# Altium PCB Fumsat Sanjeshi PCB.PcbDoc (part 1 of 2) (continued)
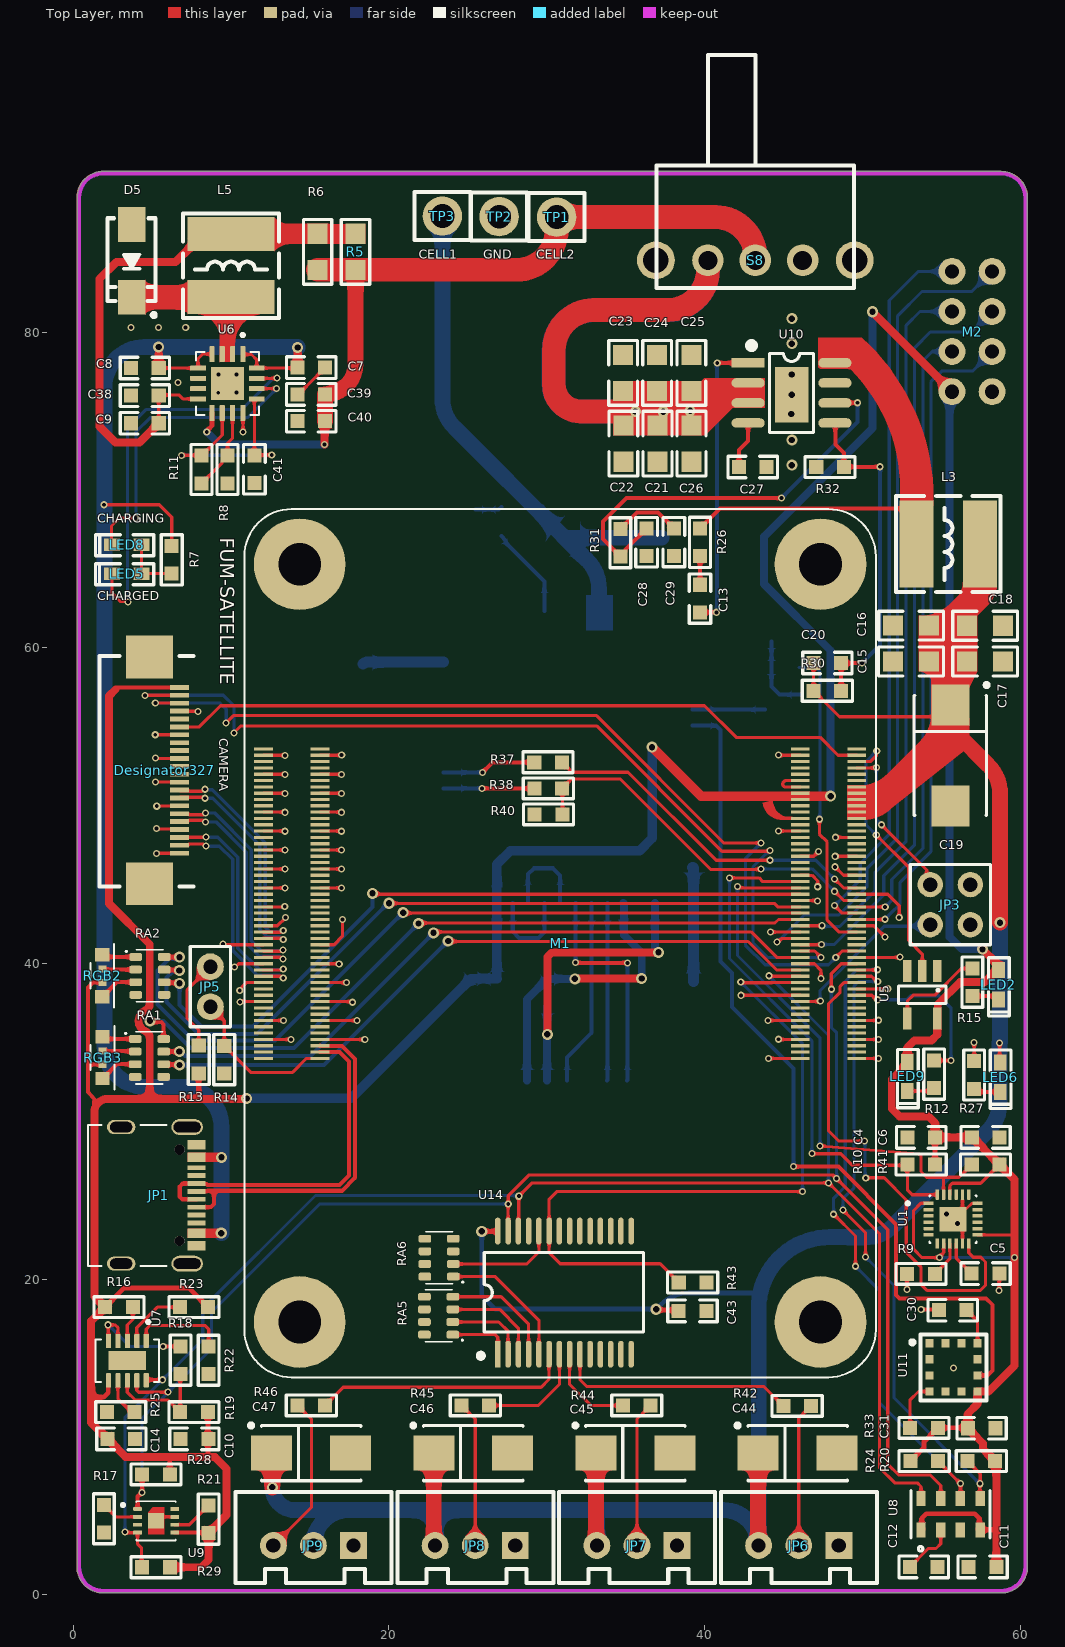
[diagram p0: Top Layer view]
## Footprints (in the part's own frame and the unit in brackets; to place one, negate y for a bottom-side part, rotate by r counter-clockwise, add the part's x,y. Pads: shape width x height; smd on the part's side, far side on the other; paste and mask are expansions set on the pad) (continued)
  round 5.8 hole 2.7: S1(-23.975,16.271) S2(24.025,16.271) S3(-23.975,-16.729) S4(24.025,-16.729)
  silkscreen extent -27.47,-20.23 27.53,19.77, body extent -27.46,-20.19 27.54,19.81, height 5.65
E01-ML01DP5 [mm]
  round 1.7 hole 0.9: 1(13.995,6.299) 2(13.995,8.839) 3(13.995,11.379) 4(13.995,13.919) 5(11.455,13.919) 6(11.455,11.379) 7(11.455,8.839) 8(11.455,6.299)
  body extent -27.58,1.02 15.47,19.07, height 12.65
FFC_0.5_22 [mm]
  rect 0.3x1.2 smd: 1(-4.996,1.773) 2(-4.496,1.773) 3(-3.996,1.773) 4(-3.496,1.773) 5(-2.996,1.773) 6(-2.496,1.773) 7(-1.996,1.773) 8(-1.496,1.773) 9(-0.996,1.773) 10(-0.496,1.773) 11(0.004,1.773) 12(0.504,1.773) 13(1.004,1.773) 14(1.504,1.773) 15(2.004,1.773) 16(2.504,1.773) 17(3.004,1.773) 18(3.504,1.773) 19(4.004,1.773) 20(4.504,1.773) 21(5.004,1.773) 22(5.504,1.773)
  rect 2.7x3 smd: Z1(-6.926,-0.127) Z2(7.434,-0.127)
  silkscreen extent -6.98,-3.3 7.62,2.67, body extent -8.45,-3.18 8.95,1.92, height 2.1
HDR-1X2 [mm] "ï¿½ï¿½ï¿½ë£¬2ï¿½ï¿½"
  round 1.7 hole 0.9: 1(0,0) 2(2.54,0)
  silkscreen extent -1.27,-1.27 3.81,1.27, body extent -1.27,-1.27 3.81,1.27, height 8.5
HDR-2X2 [mm] "Ë«ï¿½ï¿½ï¿½ï¿½ï¿½ë£¬2x2ï¿½ï¿½"
  round 1.6 hole 0.9: 1(0,0) 2(0,2.54) 3(2.54,0) 4(2.54,2.54)
  silkscreen extent -1.27,-1.27 3.81,3.81, body extent -1.27,-1.27 3.81,3.81, height 8.5
"LED 0603B" [mil] "ï¿½ï¿½É«0603LED"
  rect 40x31.5 smd: 1(-36.5,0) 2(36.5,0)
  silkscreen extent -67,-25 78,27, body extent -31,-16 32,16, height 24
"LED 0603R" [mm] "ï¿½ï¿½É«0603LED"
  rect 1.016x0.8 smd: 1(-0.927,0) 2(0.927,0)
  silkscreen extent -1.71,-0.63 1.98,0.69, body extent -0.8,-0.4 0.8,0.4, height 0.61
"LED 0603Y" [mm] "ï¿½ï¿½É«0603LED"
  rect 1.016x0.8 smd: 1(-0.927,0) 2(0.927,0)
  silkscreen extent -1.71,-0.63 1.98,0.69, body extent -0.8,-0.41 0.8,0.4, height 0.61
ML8511 [mm]
  rect 0.525x0.525 smd: 1(1.448,-1.511) 2(1.448,-0.495) 3(1.448,0.521) 4(1.448,1.537) 5(0.432,1.537) 6(-0.584,1.537) 7(-1.6,1.537) 8(-1.6,0.521) 9(-1.6,-0.495) 10(-1.6,-1.511) 11(-0.584,-1.511) 12(0.432,-1.511)
  silkscreen extent -2.17,-2.08 2.65,2.11
MPL3115 [mm]
  rect 0.95x0.6 smd: 1(-1.013,1.837) 2(-1.013,0.587) 3(-1.013,-0.663) 4(-1.013,-1.913) 5(0.987,-1.913) 6(0.987,-0.663) 7(0.987,0.587) 8(0.987,1.837)
  silkscreen extent -2.35,-2.54 1.49,2.46, body extent -1.51,-2.53 1.49,2.47, height 1.2
QFN16 [mm]
  rrect25% 1.01x0.32 smd: 1(-1.809,1.077) 2(-1.809,0.427) 3(-1.809,-0.223) 4(-1.809,-0.873) 9(1.911,-0.873) 10(1.911,-0.223) 11(1.911,0.427) 12(1.911,1.077)
  rrect25% 0.32x1.01 smd: 5(-0.924,-1.758) 6(-0.274,-1.758) 7(0.376,-1.758) 8(1.026,-1.758) 13(1.026,1.962) 14(0.376,1.962) 15(-0.274,1.962) 16(-0.924,1.962)
  rect 2.1x2.1 smd paste-0.39: 17(0.051,0.102)
  silkscreen extent -3.12,-1.9 2.05,2.1, body extent -1.95,-1.9 2.05,2.1, height 0.9
QFN40-25N [mm]
  rrect25% 0.64x0.22 smd: 1(-1.342,0.289) 2(-1.342,-0.111) 3(-1.342,-0.511) 4(-1.342,-0.911) 5(-1.342,-1.311) 6(-1.342,-1.711) 13(1.748,-1.711) 14(1.748,-1.311) 15(1.748,-0.911) 16(1.748,-0.511) 17(1.748,-0.111) 18(1.748,0.289)
  rrect25% 0.22x0.64 smd: 7(-0.797,-2.256) 8(-0.397,-2.256) 9(0.003,-2.256) 10(0.403,-2.256) 11(0.803,-2.256) 12(1.203,-2.256) 19(1.203,0.834) 20(0.803,0.834) 21(0.403,0.834) 22(0.003,0.834) 23(-0.397,0.834) 24(-0.797,0.834)
  rect 1.7x1.54 smd paste-2: 25(0.203,-0.711)
  silkscreen extent -2.76,-2.21 1.7,0.79, body extent -1.3,-2.21 1.7,0.79, height 1
"Quectel MC60" [mm]
  oval 2.5x0.7 smd paste-2: 1(-7.875,7) 2(-7.875,6) 3(-7.875,5) 4(-7.875,4) 5(-7.875,3) 6(-7.875,2) 7(-7.875,1) 8(-7.875,0) 9(-7.875,-1) 10(-7.875,-2) 11(-7.875,-3) 12(-7.875,-4) 13(-7.875,-5) 14(-7.875,-6) 15(-7.875,-7) 28(7.925,-7) 29(7.925,-6) 30(7.925,-5) 31(7.925,-4) 32(7.925,-3) 33(7.925,-2) 34(7.925,-1) 35(7.925,0) 36(7.925,1) 37(7.925,2) 38(7.925,3) 39(7.925,4) 40(7.925,5) 41(7.925,6) 42(7.925,7)
  oval 0.7x2.5 smd paste-2: 16(-5.475,-9.25) 17(-4.475,-9.25) 18(-3.475,-9.25) 19(-2.475,-9.25) 20(-1.475,-9.25) 21(-0.475,-9.25) 22(0.525,-9.25) 23(1.525,-9.25) 24(2.525,-9.25) 25(3.525,-9.25) 26(4.525,-9.25) 27(5.525,-9.25) 43(5.525,9.25) 44(4.525,9.25) 45(3.525,9.25) 46(2.525,9.25) 47(1.525,9.25) 48(0.525,9.25) 49(-0.475,9.25) 50(-1.475,9.25) 51(-2.475,9.25) 52(-3.475,9.25) 53(-4.475,9.25) 54(-5.475,9.25)
  rect 1.1x1.1 smd paste-0.09: 55(-3.575,2.7) 56(-3.575,0.9) 57(-3.575,-0.9) 58(-3.575,-2.7) 59(-1.775,-4.5) 60(0.025,-4.5) 61(1.825,-4.5) 62(3.625,-2.7) 63(3.625,-0.9) 64(3.625,0.9) 65(3.625,2.7) 66(1.825,4.5) 67(0.025,4.5) 68(-1.775,4.5)
  silkscreen extent -9.82,-9.42 8.1,9.43, body extent -7.98,-9.43 8.02,9.27, height 2.2
"R 0603" [mil] "1/10Wï¿½ï¿½Æ¬ï¿½ï¿½ï¿½ï¿½"
  rect 35x35 smd: 1(-35,0) 2(34,0)
  silkscreen extent -63,-26 62,26, body extent -31,-16 32,16, height 16
"R 0805" [mm] "1/8Wï¿½ï¿½Æ¬ï¿½ï¿½ï¿½ï¿½"
  rect 1.27x1.27 smd: 1(-1.143,0) 2(1.143,0)
  silkscreen extent -2.05,-0.9 2.05,0.9, body extent -1,-0.62 1,0.63, height 0.5
"RA1206 (4x0603)" [mm]
  rrect50% 0.8x0.5 smd: 1(-0.9,1.2) 2(-0.9,0.4) 3(-0.9,-0.4) 4(-0.9,-1.2) 5(0.9,-1.2) 6(0.9,-0.4) 7(0.9,0.4) 8(0.9,1.2)
  silkscreen extent -1.55,-1.65 0.85,1.65, body extent -0.8,-1.6 0.8,1.6, height 0.5
RGB-SIDE-020-1 [mm]
  rect 0.85x0.9 smd: 1(-1.325,-0.025) 4(1.325,-0.025)
  rect 0.45x0.5 smd: 2(-0.425,-0.025) 3(0.425,-0.025)
  silkscreen extent -2,-0.78 2.03,0.72
SHT35 [mm]
  rrect50% 0.55x0.25 smd mask+0: 1(-1.178,0.743)
  rrect20% 0.55x0.25 smd mask+0: 2(-1.178,0.243) 3(-1.178,-0.257) 4(-1.178,-0.757) 5(1.172,-0.757) 6(1.172,-0.257) 7(1.172,0.243) 8(1.172,0.743)
  rect 1x1 smd paste-1 mask+0: 9(-0.003,-0.007)
  Top Layer region: 0.497,-0.857 -0.503,-0.857 -0.503,0.543 -0.203,0.843 0.497,0.843
  silkscreen extent -2.2,-1.26 1.25,1.24, body extent -1.25,-1.26 1.25,1.24, height 0.9
SIMcard_6pin_1 [mm]
  rect 1.56x2.61 smd: 1(-8.289,5.391) 2(-8.289,-7.239) 3(8.391,-7.239) 4(8.391,5.391)
  rect 0.9x1.35 smd: C1(2.806,8.266) C2(0.266,8.266) C3(-2.274,8.266) C5(1.536,8.266) C6(-1.004,8.266) C7(-3.544,8.266) CD(-7.354,8.266)
  silkscreen extent -7.82,-8.84 7.93,8.33, body extent -8.32,-8.87 8.43,8.46, height 1.5
SMA [mm] "4.5x2.6*2.2mm£¨³¤¿í¸ß£¬²»°üÀ¨Òý½Å£©"
  rect 2.2x1.75 smd: 1(-2.3,0) 2(2.3,0)
  silkscreen extent -2.7,-1.52 3.56,1.52, body extent -2.53,-1.3 2.58,1.3, height 2.15
SOP8_M-EP [mm] "5*6*1.8mm£¨³¤¿í¸ß£©"
  rect 2.1x0.6 smd: 1(-2.75,1.905)
  oval 2.1x0.6 smd: 2(-2.75,0.635) 3(-2.75,-0.635) 4(-2.75,-1.905) 5(2.75,-1.905) 6(2.75,-0.635) 7(2.75,0.635) 8(2.75,1.905)
  rect 2.1x3.5 smd: 9(0.01,-0.113)
  silkscreen extent -2.69,-2.5 1.4,3.15, body extent -3,-2.5 3,2.5, height 1.9
SOT23-3N [mm] "3x1.3x1mm(ï¿½ï¿½ï¿½ï¿½ï¿½)"
  rect 0.5x1.2 smd: 1(-0.95,-1.143) 2(0.95,-1.143) 3(0,1.143)
  silkscreen extent -1.5,-0.2 1.5,0.7, body extent -1.5,-1.2 1.5,1.2, height 1.05
SOT23-5M [mm] "3x1.6x1.1mm(ï¿½ï¿½ï¿½ï¿½ï¿½)"
  rect 0.55x1.4 smd: 1(-0.95,-1.5) 2(0,-1.5) 3(0.95,-1.5) 4(0.95,1.5) 5(-0.95,1.5)
  silkscreen extent -1.5,-0.56 1.5,0.56, body extent -1.5,-1.4 1.5,1.4, height 1.15
SS-12F23 [mm] "ï¿½Å¾ï¿½3mm"
  round 2.4 hole 1.6: 0(0,6.3) 0(0,-6.3)
  round 2 hole 1.2: 1(0,3) 2(0,0) 3(0,-3)
  silkscreen extent -1.75,-6.25 13,6.25, body extent -0.61,-6.52 12.29,6.48, height 5.75
SSOP28_N [mm] "10.2*7.8*1.9mm(³¤¿í¸ß£©"
  rect 1.7x0.35 smd: 1(-3.9,4.225)
  oval 1.7x0.35 smd: 2(-3.9,3.575) 3(-3.9,2.925) 4(-3.9,2.275) 5(-3.9,1.625) 6(-3.9,0.975) 7(-3.9,0.325) 8(-3.9,-0.325) 9(-3.9,-0.975) 10(-3.9,-1.625) 11(-3.9,-2.275) 12(-3.9,-2.925) 13(-3.9,-3.575) 14(-3.9,-4.225) 15(3.9,-4.225) 16(3.9,-3.575) 17(3.9,-2.925) 18(3.9,-2.275) 19(3.9,-1.625) 20(3.9,-0.975) 21(3.9,-0.325) 22(3.9,0.325) 23(3.9,0.975) 24(3.9,1.625) 25(3.9,2.275) 26(3.9,2.925) 27(3.9,3.575) 28(3.9,4.225)
  silkscreen extent -4.13,-5 2.54,5.43, body extent -3.85,-5.1 3.85,5.1, height 1.65
TEST_POINT_40MIL_R [mm]
  round 2.5 hole 1.5: 1(0,0)
  silkscreen extent -1.78,-1.52 1.78,1.52, body extent -1.67,-1.4 1.67,1.4, height 5.41
"u.Fl 3P" [mm]
  rect 1.05x2.2 smd: G(-1.475,0) G(1.475,0)
  rect 1x1.05 smd: S(0,-1.525)
  silkscreen extent -1.3,-1.3 1.3,1.3, body extent -1.5,-1.55 1.5,1.55, height 1.23
USB-C-RIGHT [mm]
  rect 0.3x1.14 smd: A1(-3.096,3.937) A4(-2.296,3.937) A5(-0.996,3.937) A6(0.004,3.937) A7(0.504,3.937) A8(1.504,3.937) A9(2.804,3.937) A12(3.604,3.937) B1(3.304,3.937) B4(2.504,3.937) B5(2.004,3.937) B6(1.004,3.937) B7(-0.496,3.937) B8(-1.496,3.937) B9(-1.996,3.937) B12(-2.796,3.937)
  oval 1x2 hole 0.65 slot 1.72 at 90 deg: S1(-4.071,3.347) S2(4.579,3.347)
  oval 0.9x1.8 hole 0.65 slot 1.4 at 90 deg: S3(-4.071,-0.833) S4(4.579,-0.833)
  round 0.65 hole 0.65 unplated: ""(-2.636,2.867) ""(3.144,2.867)
  silkscreen extent -4.22,-2.92 4.72,2.03, body extent -4.22,-3.36 4.72,4.39, height 3.26
XH2.54-3P [mm] "½Ó²å¼þ£¬3P"
  rect 1.7x1.7 hole 0.9: 1(0,0)
  round 1.7 hole 0.9: 2(2.54,0) 3(5.08,0)
  silkscreen extent -2.41,-3.38 7.47,2.39, body extent -2.5,-3.3 7.58,2.4, height 7.03

## Part data
C4 C5 C6 C7 C8 C9 C10 C11 C12 C13 C14 C15 C16 C17 C18 C20 C21 C22 C23 C24 C25 C26 C27 C28 C29 C30 C31 C33 C34 C35 C36 C37 C38 C39 C40 C41 C42 C43: library part C, "Non-polar patch capacitor", BOM名称=无极性贴片电容, 学习资源=www.ooocke.com, 版权归属=源创客
C19 C32 C44 C45 C46 C47: library part C-CD, "Solid Tantalum Chip Capacitor, Standard T491 Series - Industrial Grade", PackageDocument=Mar-2001, Code_JEITA=3528-21, ComponentLink1Description="Manufacturer Link", ComponentLink1URL=http://www.kemet.com/, ComponentLink2Description=Datasheet, ComponentLink2URL=http://www.kemet.com/kemet/web/homepage/kechome.nsf/vapubfilesname/F3102TA.pdf/$file/F3102TA.pdf, DatasheetDocument=Mar-2001, LatestRevisionDate=19-Mar-2004, LatestRevisionNote="Silkscreen dimensions re-sized.", PackageReference=B, Published=17-Jul-2002, Publisher="Altium Limited"
D5: "Rectifier diode", BOM名称=整流二极管, 学习资源=www.ooocke.com, 版权归属=源创客
JP1: library part USB-C-RIGHT
JP3: library part "Header 2X2", "2*2P Connector", BOM名称=2*2P接插件, 学习资源=www.ooocke.com, 版权归属=源创客
JP5: library part "Header 2", "2P Connector", BOM名称=2P接插件, 学习资源=www.ooocke.com, 版权归属=源创客
JP6 JP7 JP8 JP9: library part "Header 3", "3P Connector", BOM名称=3P接插件, 学习资源=www.ooocke.com, 版权归属=源创客
L3 L5: library part L-CD, "Chip power inductor", BOM名称=功率电感, 学习资源=www.ooocke.com, 版权归属=源创客
LED2 LED5 LED6 LED7 LED8 LED9: "Patch LED", BOM名称=贴片LED, 学习资源=www.ooocke.com, 版权归属=源创客
M1: library part CM4
R5 R6 R7 R8 R9 R10 R11 R12 R13 R14 R15 R16 R17 R18 R19 R20 R21 R22 R23 R24 R25 R26 R27 R28 R29 R30 R31 R32 R33 R34 R36 R37 R38 R39 R40 R41 R42 R43 R44 R45 R46: library part R, "Chip resistor", BOM名称="Chip resistor", 学习资源=www.ooocke.com, 版权归属=源创客
R35: library part 8050-SMD, "High frequency amplification-NPN", BOM名称=高频放大-NPN型, 学习资源=www.ooocke.com, 属性="40V 1.5A 1W 100MHZ", 版权归属=源创客
RA1 RA2 RA5 RA6: library part R-ARR, "4 way Chip Resistor Array"
S8: library part SSW-1P, "1-Way Sliding Switch", BOM名称=波动开关, 学习资源=www.ooocke.com, 版权归属=源创客
U5: "Single 1.65-V to 5.5-V buffer with Schmitt-Trigger inputs"
U8: "Pressure Sensor"
U11: "UV Sensor"
U12: library part MC60, "Ultra-small LCC Quad-band GSM/GPRS/GNSS Module"
U13: library part "SIMcard (6pin)"
U14: "16-channel, 12-bit PWM Fm+ I2C-bus PWM LED controller , Servo Motor"
X1 X2: library part "u.Fl 3P", "RF", Manufacturer="Hirose Electric Co Ltd", Model=U.FL-R-SMT(01)

## Via types
v1: diameter 0.45, hole 0.25, Top Layer to Bottom Layer, tented both sides, 161 vias
v2: diameter 0.7, hole 0.4, Top Layer to Bottom Layer, tented both sides, 39 vias
v3: diameter 0.45, hole 0.3, Top Layer to Bottom Layer, tented both sides, 2 vias

## Nets (pads, with @x,y where several pads share a name; then routed paths per layer and width w, separated by ;. In a path a pad name is that pad's centre, name@x,y a point inside that pad or via, vN(x,y) a via of type N, cw(c..) or ccw(c..) an arc to the next point about the centre after c; other vN are vias at no path point)
1.8V: M1.88 M1.90 | length 2.5
  Top Layer w0.2: M1.88@46.063,51.187 45.115,51.187 cw(c45.115,51.351) 44.951,51.351 cw(c45.184,51.351) 45.184,51.584 M1.90@46.104,51.584
3.3V: C4.1 C6.1 C10.1 C11.2 C14.1 C31.2 C36.1 C37.1 Designator327.1 LED2.1 LED9.1 M1.78 M1.84 M1.86 M2.8 R10.1 R13.1 R16.1 R19.2 R20.2 R21.1 R23.2 R24.2 R28.1 R29.1 R33.1 R41.1 RGB2.3 RGB3.3 U1.1 U1.8 U1.13 U1.22 U5.5 U7.6 U8.1 U8.4 U9.5 U11.7 U12.26 | length 325.4
  Top Layer w0.2: 6.127,8.703 6.157,8.733 ; 8.488,8.733 8.539,8.784 ; R21.1@8.571,3.945 R21.1@8.59,3.926 ; U1.1@54.196,24.807 53.704,24.807 53.245,24.348 53.245,21.896 53.774,21.366 v1(54.89,21.366) 54.89,21.427 55.151,21.688 55.151,22.252 U1.8@55.141,22.262 ; U1.22@55.541,25.351 55.541,25.917 55.702,26.078 57.487,26.078 R41.1@58.679,27.27 ; U1.13@57.286,22.807 59.62,22.807 59.634,22.82
  Top Layer w0.254: 1.349,30.592 1.349,31.393 0.954,31.849 0.954,33.606 ; RGB2.3@1.853,38.805 1.274,38.805 0.954,38.484 0.954,33.606 ; RGB3.3@1.866,33.615 1.857,33.606 0.954,33.606 ; 2.703,57.372 2.818,57.487 Designator327.1@6.744,57.487 ; U9.5@6.436,3.945 R21.1@8.571,3.945
  Top Layer w0.3: 1.142,12.526 1.95,12.526 2.235,12.811 U7.6@2.235,13.587 ; R16.1@2.029,18.228 3.243,19.442 7.325,19.442 R23.2@8.539,18.228 ; R28.1@6.127,7.636 6.127,8.703 ; 7.96,31.571 R13.1@7.96,33.038 ; 8.539,8.784 R19.2@8.539,11.576 ; R24.2@53.037,8.474 53.908,9.344 53.908,9.711 R33.1@54.779,10.582 C31.2@56.653,10.582 ; U8.1@53.763,4.172 53.763,4.854 54.056,5.147 57.12,5.147 57.413,4.854 U8.4@57.413,4.172 ; R10.1@54.6,27.261 C4.1@54.6,28.975 ; U8.4@57.463,4.122 58.488,4.122
  Top Layer w0.5: C14.1@1.985,10.08 1.142,10.923 1.142,12.526 1.142,17.341 R16.1@2.029,18.228 1.349,18.907 1.349,30.592 cw(c2.176,30.592) 2.176,31.419 4.855,31.419 ; C14.1@2.179,9.886 3.332,8.733 6.157,8.733 8.488,8.733 8.981,8.733 9.725,7.989 9.725,5.061 R21.1@8.59,3.926 8.59,2.23 8.113,1.753 R29.1@6.127,1.753 ; 2.703,57.372 2.278,56.948 2.278,43.792 4.855,41.216 4.855,37.472 cw(c4.355,37.472) 4.567,37.019 ccw(c4.871,36.366) 4.566,35.714 cw(c4.355,35.261) 4.855,35.261 4.855,31.419 ; 7.96,31.571 7.807,31.419 ; v2(10.997,31.451) 10.966,31.419 7.807,31.419 ; v2@47.984,50.605 v2(47.988,50.601) ; v2(50.636,81.284) 50.636,81.273 55.675,76.234 M2.8@55.675,76.223 ; U8.1@53.713,4.122 U8.1@53.763,4.172 ; C4.1@54.6,28.975 C4.1@54.609,28.984 ; C31.2@56.653,10.582 C31.2@56.678,10.557 ; U8.4@57.413,4.172 U8.4@57.463,4.122 ; v2(57.604,40.908) 58.469,40.043 58.469,39.725 LED2.1@58.619,39.575 58.619,39.467 58.469,39.317 58.253,39.317 57.754,38.818 56.181,38.818 54.772,37.409 54.772,36.542 U5.5@54.747,36.517 54.747,35.487 54.384,35.124 53.29,35.124 52.852,34.686 LED9.1@52.852,33.77 52.852,33.662 51.858,32.669 51.858,30.806 52.361,30.303 54.206,30.303 54.609,29.901 C4.1@54.609,28.984 ; C11.2@58.488,1.777 58.488,4.122 58.488,8.397 R20.2@58.412,8.474 57.632,9.254 57.632,9.603 C31.2@56.678,10.557 ; 4.855,31.419 7.807,31.419 ; C4.1@54.609,28.984 C6.1@56.932,28.984 57.249,28.667 57.282,28.667 R41.1@58.679,27.27 59.634,26.315 59.634,22.82 59.634,14.523 57.999,12.888 U11.7@57.295,12.888 57.295,12.096 56.678,11.478 C31.2@56.678,10.557
  Top Layer w0.6: v2(36.675,53.706) 39.777,50.605 v2@47.984,50.605
  Bottom Layer w0.2: v1(54.89,21.366) v1(59.624,21.366)
  Bottom Layer w0.5: v2(47.988,50.601) 47.988,59.816 43.761,64.042 43.761,67.037 50.636,73.912 v2(50.636,81.284) ; M2.8@55.675,76.223 55.525,76.073 55.525,41.688 56.306,40.908 v2(57.604,40.908)
  Bottom Layer w0.6: v2(10.997,31.451) 17.612,31.451 C36.1@25.201,39.039 C37.1@26.877,39.039 ; C37.1@26.852,39.064 U12.26@26.852,43.839 26.852,46.296 27.689,47.132 35.88,47.132 36.675,47.927 v2(36.675,53.706)
5V: C15.1 C16.1 C17.1 C18.1 C19.1 C20.1 C43.2 C44.1 C45.1 C46.1 C47.1 JP6.3 JP7.3 JP8.3 JP9.2 L3.2 LED6.1 M1.77 M1.79 M1.81 M1.83 M1.85 M1.87 R30.1 U14.28 | length 159.3
  Top Layer w0.2: C20.1@46.907,59.031 46.907,57.276 R30.1@46.905,57.275 48.547,55.633 55.151,55.633 C19.1@55.555,56.037 ; v1(58.692,34.974) 58.692,33.766 LED6.1@58.732,33.726
  Top Layer w0.3: v2(25.887,23.028) 26.883,23.028 U14.28@26.905,23.05 ; v2(36.938,18.096) 36.991,18.043 38.309,18.043 C43.2@38.362,17.989
  Top Layer w1: C47.1@12.578,8.984 cw(c12.578,8.94) 12.622,8.94 v2(12.622,6.811) ; C46.1@22.85,8.984 22.85,3.211 ccw(c22.933,3.211) JP8.3@22.933,3.128 ; C45.1@33.122,8.984 33.122,3.186 ccw(c33.181,3.186) JP7.3@33.181,3.128 ; C44.1@43.394,8.984 43.394,3.162 ccw(c43.428,3.162) JP6.3@43.428,3.128 ; 56.067,54.467 57.978,52.556 cw(c56.182,50.76) 58.722,50.76 v2(58.722,42.587)
  Bottom Layer w0.3: v2(25.887,23.028) 25.887,18.982 26.759,18.11 36.924,18.11 v2(36.938,18.096) 37.221,18.379 cw(c39.017,16.582) 39.017,19.122 43.532,19.122
  Bottom Layer w1: v2(12.622,6.811) ccw(c14.061,6.811) 14.061,5.372 17.469,5.372 ; JP9.2@15.225,3.128 cw(c17.469,3.128) 17.469,5.372 ; JP8.3@22.933,3.128 ccw(c22.933,3.148) 22.953,3.148 22.953,5.372 ; JP7.3@33.181,3.128 33.181,5.281 ccw(c33.09,5.281) 33.09,5.372 ; 49.078,22.664 47.93,22.664 ccw(c47.93,18.162) 43.532,19.122 ccw(c47.93,18.162) 43.428,18.162 43.428,18.16 JP6.3@43.428,3.128 ccw(c41.184,3.128) 41.184,5.372 33.09,5.372 ; 49.119,22.645 50.16,22.645 ccw(c50.16,25.185) 51.956,23.389 57.948,29.382 ccw(c56.152,31.178) 58.692,31.178 v1(58.692,34.974) 58.721,35.004 58.721,42.586 v2(58.722,42.587) ; 17.469,5.372 22.953,5.372 ; 22.953,5.372 33.09,5.372
AIN0: M1.96
AIN1: M1.94
BT_nDis: M1.91
CAM_CK_N: Designator327.15 M1.140 | length 14.7
  Top Layer w0.218: Designator327.15@6.744,50.487 6.785,50.528 8.227,50.528 8.288,50.467 v1(8.351,50.467) ; M1.140@12.052,41.587 13.17,41.587 13.251,41.506 v1(13.313,41.506)
  Bottom Layer w0.218: v1(8.351,50.467) 8.856,50.467 11.824,47.5 11.824,42.162 12.304,41.682 13.079,41.682 13.255,41.506 v1(13.313,41.506)
CAM_CK_P: Designator327.14 M1.142 | length 14.7
  Top Layer w0.218: Designator327.14@6.744,50.987 6.785,50.946 7.324,50.946 7.363,50.907 8.157,50.907 8.288,51.037 v1(8.351,51.037) ; M1.142@12.052,41.987 v1@13.162,41.987
  Bottom Layer w0.218: v1(8.351,51.037) 8.395,50.993 8.809,50.993 12.162,47.64 12.162,42.302 12.444,42.02 13.079,42.02 13.09,42.032 13.269,42.032 v1(13.313,42.076)
CAM_D0_N: Designator327.21 M1.128 | length 14.8
  Top Layer w0.218: Designator327.21@6.744,47.487 6.785,47.528 7.324,47.528 7.363,47.566 8.218,47.566 8.353,47.431 v1(8.415,47.431) ; M1.128@12.052,39.187 13.142,39.187 13.251,39.078 v1(13.313,39.078)
  Bottom Layer w0.218: v1(8.415,47.431) 9.264,47.431 10.102,46.593 10.102,40.82 11.668,39.254 13.075,39.254 13.251,39.078 v1(13.313,39.078)
CAM_D0_P: Designator327.20 M1.130 | length 14.7
  Top Layer w0.218: Designator327.20@6.744,47.987 v1@8.401,47.987 ; M1.130@12.052,39.587 13.19,39.587 13.251,39.648 v1(13.313,39.648)
  Bottom Layer w0.218: v1(8.415,48.001) 9.172,48.001 10.44,46.733 10.44,40.96 11.808,39.592 13.03,39.592 13.041,39.604 13.269,39.604 v1(13.313,39.648)
CAM_D1_N: Designator327.18 M1.134 | length 14.8
  Top Layer w0.218: Designator327.18@6.785,49.028 7.315,49.028 7.363,49.076 8.219,49.076 8.335,48.96 v1(8.398,48.96) ; M1.134@12.052,40.387 13.142,40.387 13.237,40.292 v1(13.3,40.292)
  Bottom Layer w0.218: v1(8.398,48.96) 9.056,48.96 10.96,47.055 10.96,41.291 11.783,40.468 13.061,40.468 13.237,40.292 v1(13.3,40.292)
CAM_D1_P: Designator327.17 M1.136 | length 14.9
  Top Layer w0.218: Designator327.17@6.785,49.446 7.346,49.446 7.363,49.429 8.234,49.429 8.335,49.53 v1(8.398,49.53) ; M1.136@12.052,40.787 13.162,40.787 13.237,40.862 v1(13.3,40.862)
  Bottom Layer w0.218: v1(8.398,49.53) 8.964,49.53 11.298,47.195 11.298,41.431 11.923,40.806 12.951,40.806 12.963,40.818 13.256,40.818 v1(13.3,40.862)
CAM_IO0: Designator327.6 M1.97 | length 44.8
  Top Layer w0.2: Designator327.6@6.744,54.987 8.002,54.987 9.341,56.325 39.995,56.325 42.002,54.318 47.323,54.318 48.455,53.187 M1.97@49.644,53.187
CAM_IO1: 
CAM_SCL: Designator327.3 M1.35 | length 59.2
  Top Layer w0.2: v1(5.208,56.506) 5.217,56.496 6.735,56.496 Designator327.3@6.744,56.487 ; v1(9.698,55.244) 10.154,55.7 33.162,55.7 41.235,47.627 v1@43.527,47.627 ; v1(48.311,40.374) 48.725,40.787 M1.35@49.644,40.787
  Bottom Layer w0.2: v1(5.208,56.506) 9.298,56.506 9.404,56.399 9.698,56.106 v1(9.698,55.244) ; v1(43.572,47.627) 42.587,46.642 42.587,41.163 43.836,39.914 47.852,39.914 v1(48.311,40.374)
CAM_SDA: Designator327.2 M1.36 | length 59.8
  Top Layer w0.2: v1(4.546,56.987) Designator327.2@6.744,56.987 ; v1(10.195,54.605) 10.637,55.048 33.161,55.048 41.101,47.108 44.105,47.108 v1(44.152,47.155) ; M1.36@46.063,40.787 46.971,40.787 v1(47.379,40.379)
  Bottom Layer w0.2: v1(4.546,56.987) 9.522,56.987 10.195,56.314 v1(10.195,54.605) ; v1(44.152,47.155) 44.104,47.155 43.067,46.119 43.067,41.326 44.014,40.379 v1(47.379,40.379)
CCS_AUX: R18.1 R19.1 U7.8 | length 7.1
  Top Layer w0.2: U7.8@3.435,13.587 3.435,12.839 3.929,12.345 6.017,12.345 R19.1@6.787,11.576 6.787,13.969 R18.1@6.811,13.993
CCS_INT: R16.2 U7.3 | length 2.3
  Top Layer w0.2: U7.3@3.434,16.088 3.434,17.099 3.781,17.447 R16.2@3.781,18.228
CCS_RESET: R23.1 U7.2 | length 4.1
  Top Layer w0.2: U7.2@4.035,16.087 4.035,16.92 5.342,18.228 R23.1@6.787,18.228
CCS_SENSE: R18.2 U7.4 U7.5 | length 7.7
  Top Layer w0.2: v1(2.224,17.111) v1@2.229,17.106 ; U7.5@2.235,16.087 2.229,16.092 v1@2.229,17.106 ; U7.4@2.835,16.087 2.835,16.949 2.69,17.094 2.241,17.094 v1@2.229,17.106 ; v1(5.709,15.742) 6.807,15.742 R18.2@6.811,15.746
  Bottom Layer w0.2: v1(2.224,17.111) 3.593,15.742 v1(5.709,15.742)
CCS_WAKE: R25.1 U7.7 | length 2.4
  Top Layer w0.2: U7.7@2.835,13.587 2.835,12.436 R25.1@3.695,11.576
E01_CE: M1.45 M2.2 | length 41.7
  Top Layer w0.2: M1.45@49.644,42.787 51.414,42.787 v1(51.43,42.803)
  Bottom Layer w0.2: v1(51.43,42.803) 51.807,43.18 52.39,43.763 52.39,45.138 54.34,47.088 54.34,76.842 54.779,77.282 55.024,77.526 56.978,77.526 M2.2@58.215,78.763
E01_CSN: M1.49 M2.7 | length 39.5
  Top Layer w0.2: M1.49@49.644,43.587 51.435,43.587 v1(51.446,43.577)
  Bottom Layer w0.2: v1(51.446,43.577) 51.865,43.996 51.865,45.317 53.841,47.294 53.841,78.188 54.416,78.763 M2.7@55.675,78.763
E01_IRQ: M1.47 M2.5 | length 46.1
  Top Layer w0.2: v1(48.235,43.666) 48.713,43.187 M1.47@49.644,43.187
  Bottom Layer w0.2: v1(48.235,43.666) 49.862,45.293 49.862,46.336 51.705,48.179 51.705,81.997 53.551,83.843 M2.5@55.675,83.843
E01_MISO: M1.40 M2.4 | length 52.8
  Top Layer w0.2: v1(44.601,41.35) 44.668,41.35 44.906,41.587 M1.40@46.063,41.587
  Bottom Layer w0.2: v1(44.601,41.35) 46.319,43.068 48.5,43.068 50.278,44.846 50.278,46.009 52.23,47.961 52.23,81.025 53.773,82.567 56.939,82.567 M2.4@58.215,83.843
E01_MOSI: M1.44 M2.6 | length 45.6
  Top Layer w0.2: M1.44@46.063,42.387 47.441,42.387 v1(47.445,42.392)
  Bottom Layer w0.2: v1(47.445,42.392) 47.493,42.344 48.557,42.344 50.817,44.604 50.817,45.785 52.77,47.738 52.77,80.421 53.651,81.303 M2.6@55.675,81.303
E01_SCK: M1.38 M2.3 | length 47.9
  Top Layer w0.2: M1.38@46.063,41.187 47.399,41.187 v1(47.417,41.205)
  Bottom Layer w0.2: v1(47.417,41.205) 48.219,41.205 51.356,44.343 51.356,45.562 53.309,47.515 53.309,79.006 54.306,80.004 56.916,80.004 M2.3@58.215,81.303
EEPROM_nWP: JP3.2 M1.20 | length 10.7
  Top Layer w0.2: M1.20@46.063,37.587 47.309,37.587 v1(47.333,37.611)
  Bottom Layer w0.2: v1(47.333,37.611) 47.322,37.622 47.322,38.291 51.389,42.358 54.202,42.358 JP3.2@54.298,42.453
ETH_LEDG: M1.17
ETH_LEDY: M1.15
GLOBAL_EN: M1.99